# Allegro board R8-DEV-V1.0_FINAL.brd (continued)
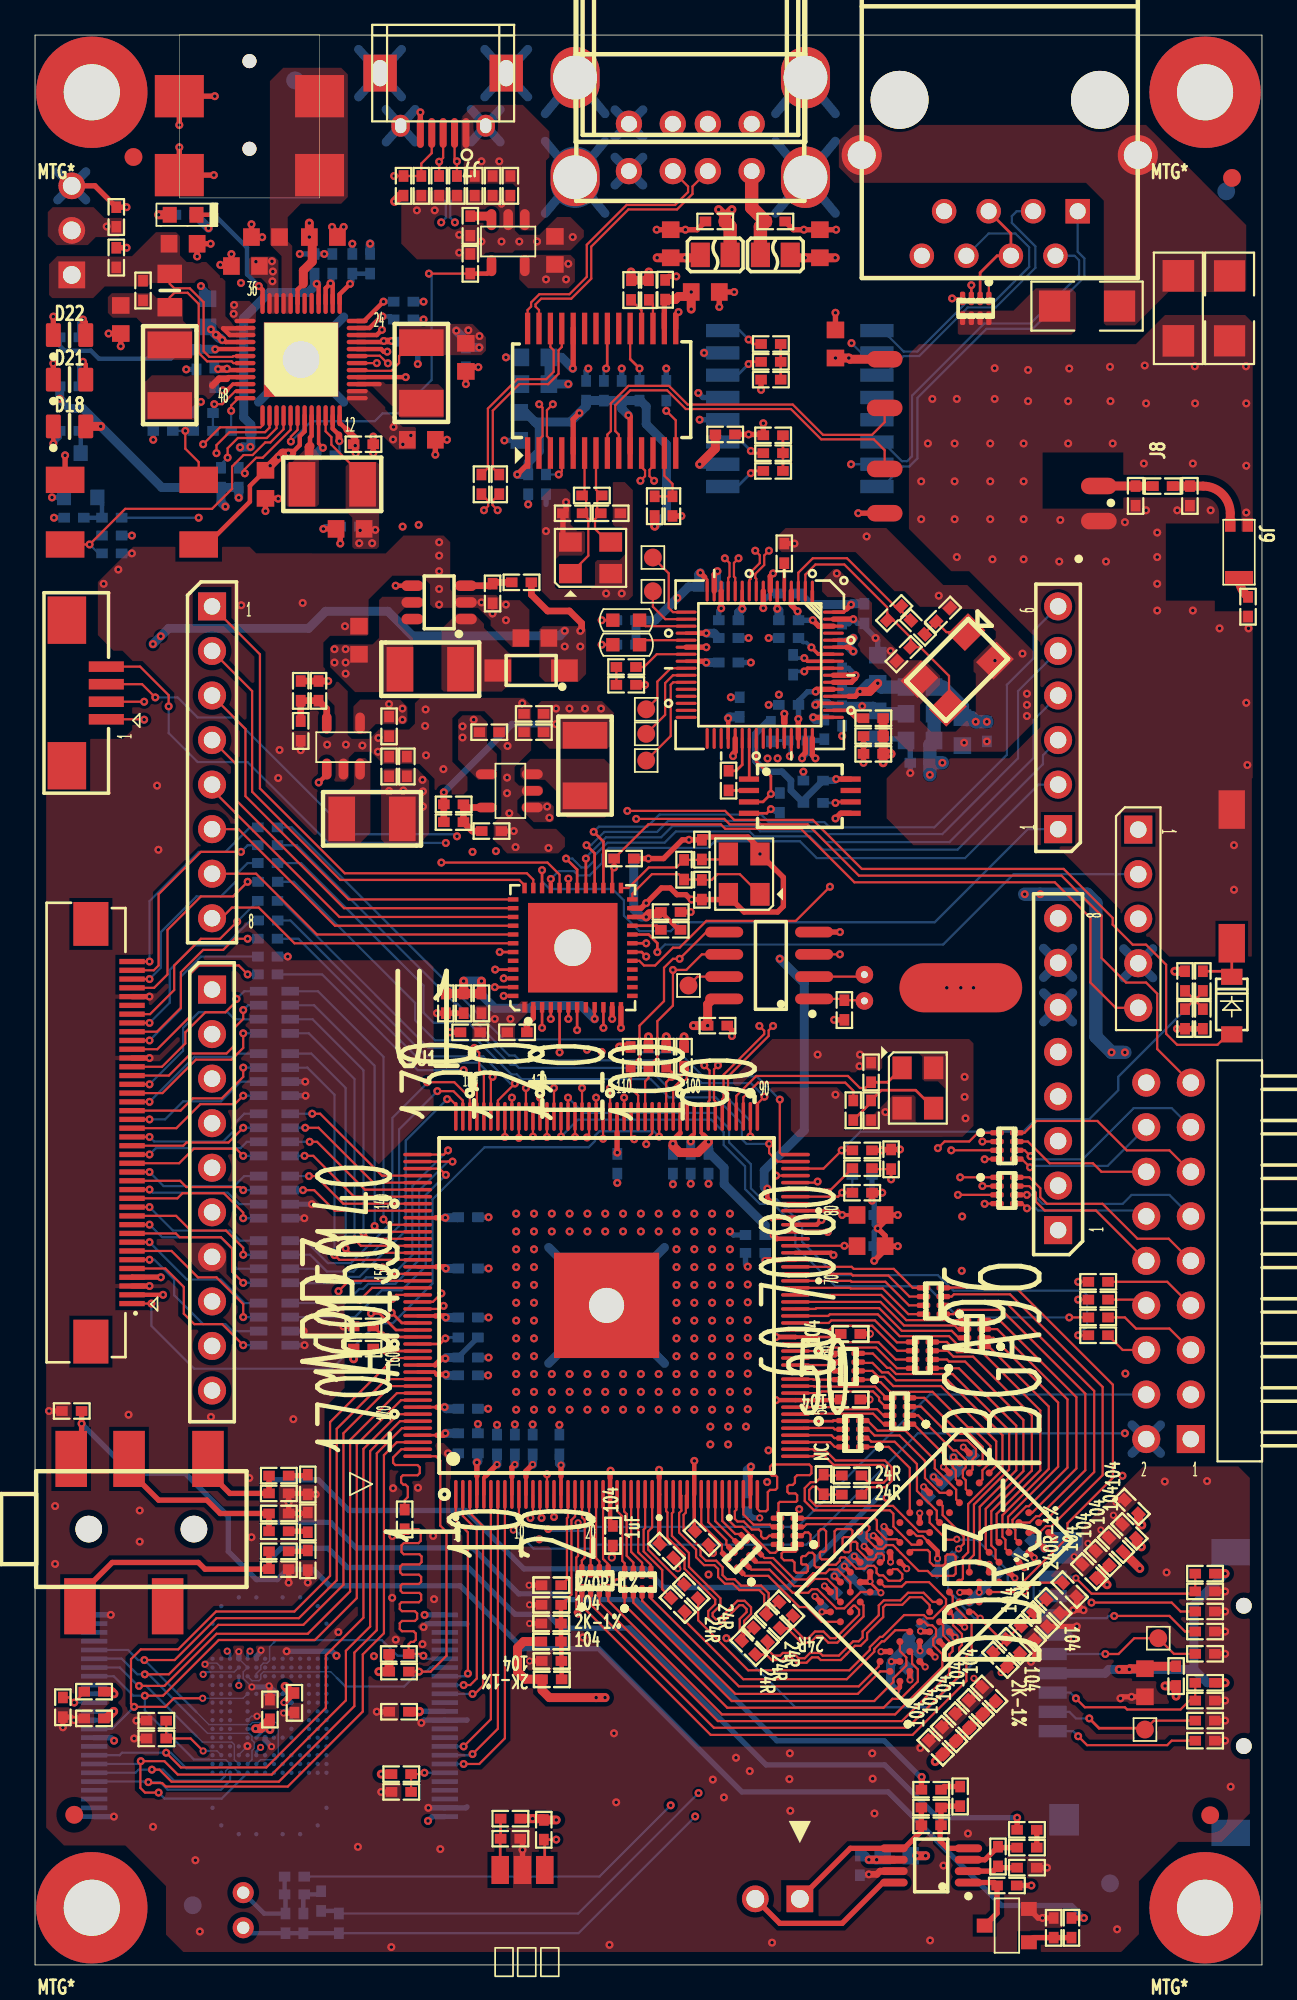
[diagram p0: board, top side]
## Routing (per net, layer and track width the routed paths; a pad name or vN(x,y) marks a point on that pad's centre or on a via; arc(x,y) is an arc through that point) (continued)
  TOP w0.381: U44.7 48.2,5.35 48.01,5.16 v1(47.56,5.16)
  L3-SIG w0.508: 19.84,105.96 J7.6 ; J7.6 19.84,103.75 ; J7.6 21.86,105.96 ; J7.6 21.86,103.75 ; 12.57,94.13 U33.49 ; U33.49 17.78,88.92 ; U33.49 12.57,88.92 ; U33.49 17.78,94.13 ; P1.11 32.69,99.68 ; P1.11 28.92,104.15 ; P1.11 28.92,99.68 ; P1.11 32.69,104.15 ; J4.2 64.32,29.04 ; J4.2 62.44,30.92 ; J4.2 62.44,29.04 ; J11.7 11.05,39.41 ; J11.7 9.14,41.33 ; J11.7 11.05,41.33 ; J11.7 9.14,39.41 ; 32.95,104.05 P1.8 32.95,105.89 ; P1.9 45.83,99.68 ; P1.9 42.06,99.68 ; P1.9 45.83,104.15 ; 57.4,55.55 J12.6 57.4,53.63 ; J7.9 26.71,105.96 ; J7.9 26.71,103.75 ; J7.9 24.7,105.96 ; J7.9 24.7,103.75 ; 32.69,105.36 P1.12 28.92,105.36 ; J14.4 63.89,58.06 ; J14.4 61.97,56.15 ; J14.4 63.89,56.15 ; J12.7 59.31,58.09 ; J12.7 57.4,58.09 ; J12.7 57.4,56.17 ; 32.95,101.35 P1.7 32.95,103.19 ; 21.07,106.32 J7.7 18.29,106.32 ; 28.26,106.32 J7.8 25.49,106.32 ; U1.177 36.08,34.12 ; U1.177 36.08,41.08 ; U1.177 29.12,41.08 ; U1.177 29.12,34.12 ; 1.16,102.36 J1.3 ; J1.3 3.03,102.36 ; J1.3 1.16,100.5 ; J1.3 3.03,100.5
  L4-SIG w0.508: P1.8 34.71,104.13 ; P1.8 34.71,105.8 ; P1.8 33.04,105.8 ; P1.8 33.04,104.13 ; 25.6,106.45 J7.8 28.15,106.45 ; J7.6 21.73,105.84 ; J7.6 21.73,103.88 ; J7.6 19.97,105.84 ; J7.6 19.97,103.88 ; 1.25,100.59 J1.3 ; J1.3 1.25,102.27 ; J1.3 2.94,102.27 ; J1.3 2.94,100.59 ; 24.82,105.84 J7.9 ; J7.9 26.58,105.84 ; J7.9 24.82,103.88 ; J7.9 26.58,103.88 ; 62.06,57.98 J14.4 ; J14.4 63.8,57.98 ; J14.4 62.06,56.24 ; J14.4 63.8,56.24 ; U33.49 17.66,94 ; U33.49 12.69,94 ; U33.49 17.66,89.04 ; J4.2 64.23,29.13 ; J4.2 62.53,29.13 ; J4.2 64.23,30.83 ; J4.2 62.53,30.83 ; J11.7 10.96,39.5 ; J11.7 10.96,41.24 ; J11.7 9.23,39.5 ; J11.7 9.23,41.24 ; 20.95,106.45 J7.7 18.41,106.45 ; 42.19,104.02 P1.9 ; P1.9 42.19,99.81 ; P1.9 45.7,104.02 ; P1.9 45.7,99.81 ; 29.05,99.81 P1.11 ; P1.11 29.05,104.02 ; P1.11 32.56,104.02 ; P1.11 32.56,99.81 ; 45.7,105.49 P1.10 42.19,105.49 ; P1.7 34.71,101.43 ; P1.7 33.04,103.1 ; P1.7 33.04,101.43 ; P1.7 34.71,103.1 ; 29.05,105.49 P1.12 32.56,105.49 ; J12.6 59.22,55.46 ; J12.6 57.49,53.72 ; J12.6 57.49,55.46 ; U1.177 35.96,40.96 ; U1.177 29.24,34.24 ; U1.177 35.96,34.24 ; U1.177 29.24,40.96 ; 57.49,56.26 J12.7 ; J12.7 59.22,58 ; J12.7 57.49,58 ; J12.7 59.22,56.26
  L5_PWR w0.635: v1(52.81,55.71) v1(52.01,55.71)
  BOTTOM w0.081: v1(12.12,12.48) 11.62,11.98 U37.K4 ; U37.AA4 U37.Y5 11.87,16.71 11.87,16.34 v2(12.37,15.85) ; v2(12.66,14.18) 12.35,14.18 U37.P5 ; 9.75,17.2 10.37,17.2 U37.Y2
  BOTTOM w0.305: C142.1 40.95,25.48 v2(41.34,25.48) ; C85.2 46.56,22.04 47.38,21.22 v2(48.25,21.22) ; v2(52.95,29.52) 52.96,29.52 C98.2 ; v1(41.54,77.35) 41.54,77.75 41.97,78.19 C299.1 ; C203.1 v1(25.87,39.71) ; C195.1 v1(25.84,33.61) ; C89.2 54.94,22.32 v2(54.42,22.84) ; 24.64,9.02 24.58,8.96 U36.23 v1(22.43,8.96) ; v2(49.9,16.25) 49.95,16.29 49.95,16.68 49.7,16.93 C100.2 ; C86.2 45.45,21.18 v2(45.03,21.6) ; v2(9.69,17.14) 9.75,17.2 ; C309.1 v1(1.08,82.51) ; C279.1 v1(46.04,70.06) ; U37.R10 14.28,14.46 v2(14.18,14.36) ; U36.48 v1(4.32,19.96) ; C241.1 v1(18.1,98.13) ; C287.1 38.98,79.41 v1(38.92,79.46) ; U36.25 v1(4.5,8.46) ; C234.1 v1(8.62,90.96) ; v1(44.52,72.59) 44.07,72.59 43.55,72.07 C286.1 43.55,71.05 v1(43.54,71.04) ; 24.64,13.97 24.62,13.96 U36.13 22.19,13.96 v1(22.03,13.8) ; v1(44.36,76.66) C289.1 43.55,76.91 43.5,76.96 v1(43.5,77.17) ; C295.1 v1(39.69,72.27) ; v1(47.56,5.16) 47.51,5.11 C316.1 ; v2(47.81,24.47) 47.4,24.47 C88.2 ; RN21.4 v1(15.37,35.33) ; 44.06,69.25 v1(44.51,68.79) ; 44.06,69.25 C273.1 44.95,69.81 C296.1 ; 44.06,69.25 44.06,69.1 v1(43.75,68.79) ; C190.1 v1(25.87,34.63) ; D4.2 v1(5.52,81.49) ; v2(51.48,23.17) 51.48,23.16 C96.2 ; v2(47.29,23.86) 47.29,24.36 C88.2 ; RN26.3 v1(15.41,50.36) ; C188.2 v1(36.38,44.51) ; EC3.1 v1(26.86,91.65) ; v1(17.2,17.63) 16.94,17.88 v1(14.35,17.88) ; R162.1 v1(41.85,75.65) ; C284.1 46.4,73.92 v1(46.8,73.52) ; v1(22.16,19.26) 22.36,19.46 U36.2 24.61,19.46 24.64,19.43 ; U37.U8 13.62,15.63 v2(13.35,15.91) 13.28,15.85 v2(12.37,15.85) ; R155.1 v1(36,91.02) ; v2(13.49,12.44) 13.12,12.81 U37.M7 ; v1(59.24,18.6) 59.02,18.83 J5.6 ; C229.2 v1(16.5,97.54) C227.1 v1(15.1,97.54) ; C214.2 10.4,89.77 v1(10.7,89.77) ; v1(40.65,39.81) 40.52,39.94 C177.2 ; T1.5 38.09,89.36 v1(37.83,89.62) ; v1(9.46,95.71) 9.84,95.33 C236.2 ; C298.1 39,77.2 v1(39.14,77.34) ; v1(47.87,40.14) C184.1 47.87,41.79 v1(48.07,41.99) 47.87,42.2 C182.1 47.87,43.44 v1(47.74,43.57) C185.1 ; Q1.2 v1(0.97,83.66) ; C256.2 v1(33.46,91.02) ; C97.2 50.69,26.95 v2(50.69,27.26) ; C88.2 47.18,24.47 47.18,24.54 v2(47.03,24.7) ; v1(49.92,67.95) C281.1 49.92,69.57 C280.1 49.59,69.9 C278.2 47.6,69.9 v1(47.25,69.55) ; C191.1 v1(38.42,44.53) ; C240.1 9.03,88.68 v1(9.46,89.11) ; C202.1 v1(33.21,44.58) ; C200.1 v1(29.91,30.79) ; v1(16.45,81.87) 16.57,82 C220.2 v1(17.41,81.03) ; v2(56.99,23.21) 56.77,23.44 C87.2 ; T1.4 v1(37.91,88.09) ; v1(39.64,41.82) 39.84,41.61 C187.1 ; C293.1 v1(40.7,75.65) ; C189.1 v1(26.35,30.79) ; C197.1 v1(25.26,30.84) ; C194.1 v1(25.87,36.91) ; C294.1 v1(40.83,74.25) ; C196.1 v1(28.38,30.82) ; v1(25.28,91.09) C225.2 v1(24.57,90.13) ; v2(11.62,17.86) U37.AA4 ; EC4.1 v1(26.77,86.91) ; C199.1 v1(27.37,30.82) ; C233.1 v1(22.16,94.83) ; C237.1 16.01,86.26 16.24,86.49 v1(16.42,86.49) ; C193.1 v1(25.84,31.71) ; C272.1 v1(43.82,68.03) ; C283.1 48.07,75.52 v1(47.94,75.65) 47.31,76.28 C297.1 46.91,76.49 v1(46.67,76.72) 46.41,76.46 C288.1 ; R150.1 29.15,83.27 ; C253.2 v1(28.13,83.27) ; C185.1 v1(48.32,44.03) ; C185.1 R96.1 ; v2(12.89,17.94) 12.89,17.86 12.62,17.6 U37.AA6 ; RN24.3 v1(15.79,43.37) ; D3.1 v1(6.74,86.95) ; C192.1 v1(25.87,42.63) ; C255.2 31.43,90.89 v1(31.56,91.02) ; RN21.3 v1(15.32,36.13) ; v2(53.03,19.26) 52.66,19.63 C99.2 ; C201.1 v1(37.4,44.53) ; R114.1 v1(22.16,93.81) ; v1(21.83,91.27) C235.2 ; RN26.4 v1(15.43,49.56) ; R120.2 v1(5.52,80.47) ; U36.36 v1(2.22,13.96) ; R142.2 v1(14.41,57.49) ; C198.1 v1(23.56,29.17) ; RN24.4 v1(15.36,42.57) ; 50.55,19.33 50.55,19.07 v2(50.51,19.03) 50.51,19.04 50.62,19.16 C101.2 50.55,19.33
  BOTTOM w0.508: P1.11 32.51,99.86 ; P1.11 29.1,99.86 ; P1.11 32.51,103.97 ; P1.11 29.1,103.97 ; J14.4 63.76,56.27 ; J14.4 62.09,57.94 ; J14.4 63.76,57.94 ; J14.4 62.09,56.27 ; 25.65,109.21 J7.8 ; J7.8 25.65,106.5 ; J7.8 28.1,106.5 ; J7.8 28.1,109.21 ; 57.52,56.3 J12.7 ; J12.7 59.19,57.96 ; J12.7 57.52,57.96 ; J12.7 59.19,56.3 ; 29.29,40.9 U1.177 ; U1.177 35.9,40.9 ; U1.177 29.29,34.29 ; U1.177 35.9,34.29 ; 29.1,105.54 P1.12 32.51,105.54 ; 42.24,105.54 P1.10 45.65,105.54 ; P1.8 34.67,104.17 ; P1.8 33.08,105.77 ; P1.8 34.67,105.77 ; P1.8 33.08,104.17 ; 33.08,103.07 P1.7 ; P1.7 34.67,101.47 ; P1.7 34.67,103.07 ; P1.7 33.08,101.47 ; 57.52,55.42 J12.6 ; J12.6 57.52,53.76 ; J12.6 59.19,53.76 ; J12.6 59.19,55.42 ; 20.02,103.93 J7.6 ; J7.6 21.68,105.79 ; J7.6 20.02,105.79 ; J7.6 21.68,103.93 ; J1.3 2.9,102.24 ; J1.3 1.29,100.62 ; J1.3 2.9,100.62 ; J1.3 1.29,102.24 ; 24.87,103.93 J7.9 ; J7.9 26.53,105.79 ; J7.9 24.87,105.79 ; J7.9 26.53,103.93 ; U33.49 17.61,93.95 ; U33.49 12.74,89.09 ; U33.49 17.61,89.09 ; 62.57,29.16 J4.2 ; J4.2 64.2,29.16 ; J4.2 64.2,30.79 ; J4.2 62.57,30.79 ; J7.7 20.9,109.21 ; J7.7 20.9,106.5 ; J7.7 18.45,106.5 ; J7.7 18.45,109.21 ; 42.24,99.86 P1.9 ; P1.9 42.24,103.97 ; P1.9 45.65,103.97 ; P1.9 45.65,99.86
  vias: v1(1.14,26.16) v1(1.14,22.86) v1(3.91,78.74) v1(4.75,79.55) v1(5.33,31.37) v1(5.97,25.91) v1(5.97,24.13) v1(6.73,7.87) v1(6.96,67.23) v1(7.04,63.58) v1(9.14,5.97) v1(9.4,1.91) v1(10.03,31.24) v1(11.75,95.89) v1(11.76,77.52) v1(12.22,27.76) v1(12.34,24.38) v1(13.94,69.27) v1(13.87,67.67) v1(14.73,31.11) v1(15.27,77.65) v1(16.66,69.57) v1(17.3,18.97) v1(17.68,76.32) v1(17.73,69.57) v1(18.41,6.73) v1(18.67,69.52) v1(19.33,17.6) v1(19.58,69.95) v1(19.56,69.16) v1(20.32,1.02) v1(20.42,27.18) v1(20.38,24.45) v1(20.37,20.93) v1(20.57,18.54) v1(21.78,100.03) v1(21.84,27.2) v1(22.1,18.29) v1(22.28,71.58) v1(22.25,70.64) v1(22.3,68.96) v1(22.71,24.46) v1(22.8,100.03) v1(22.76,20.85) v1(23.05,81.11) v1(23.05,80.35) v1(23.05,79.46) v1(23.05,78.44) v1(23.05,77.55) v1(23.11,6.6) v1(23.29,68.17) v1(24.19,98.64) v1(24.19,97.62) v1(25.46,98.25) v1(25.46,77.68) v1(26.1,77.05) v1(26.61,100.41) v1(26.61,98.25) v1(26.86,77.55) v1(26.86,76.66) v1(26.95,69.49) v1(26.92,67.69) v1(26.92,66.8) v1(27.05,65.66) v1(27.41,63.73) v1(27.44,42.83) v1(27.44,41.82) v1(27.44,40.8) v1(27.44,39.78) v1(27.44,38.77) v1(27.44,37.75) v1(27.44,36.74) v1(27.44,35.72) v1(27.44,34.7) v1(27.44,33.69) v1(27.44,32.67) v1(27.44,31.66) v1(27.62,98.25) v1(27.79,71.93) v1(28.46,42.83) v1(28.46,41.82) v1(28.46,40.8) v1(28.46,39.78) v1(28.46,38.77) v1(28.46,37.75) v1(28.46,36.74) v1(28.46,35.72) v1(28.46,34.7) v1(28.46,33.69) v1(28.46,32.67) v1(28.46,31.66) v1(28.64,98.25) v1(29.15,81.74) v1(29.29,63.68) v1(29.48,42.83) v1(29.48,41.82) v1(29.48,33.69) v1(29.48,32.67) v1(29.48,31.66) v1(30.49,42.83) v1(30.49,41.82) v1(30.49,33.69) v1(30.49,32.67) v1(30.49,31.66) v1(30.67,98.51) v1(31.24,18.67) v1(31.51,42.83) v1(31.51,41.82) v1(31.51,33.69) v1(31.51,32.67) v1(31.51,31.66) v1(32.52,42.83) v1(32.52,41.82) v1(32.52,33.69) v1(32.52,32.67) v1(32.52,31.66) v1(32.57,78.19) v1(32.77,1.14) v1(33.02,13.21) v1(33.15,9.27) v1(33.2,21.82) v1(33.46,78.19) v1(33.54,42.83) v1(33.54,41.82) v1(33.54,33.69) v1(33.54,32.67) v1(33.54,31.66) v1(34.56,42.83) v1(34.56,41.82) v1(34.56,33.69) v1(34.56,32.67) v1(34.56,31.66) v1(35.57,42.83) v1(35.57,41.82) v1(35.57,33.69) v1(35.57,32.67) v1(35.57,31.66) v1(36.59,42.83) v1(36.59,41.82) v1(36.59,40.8) v1(36.59,39.78) v1(36.59,38.77) v1(36.59,37.75) v1(36.59,36.74) v1(36.59,35.72) v1(36.59,34.7) v1(36.59,33.69) v1(36.59,32.67) v1(36.59,31.66) v1(37.6,42.83) v1(37.6,41.82) v1(37.6,40.8) v1(37.6,39.78) v1(37.6,38.77) v1(37.6,37.75) v1(37.6,36.74) v1(37.6,35.72) v1(37.6,34.7) v1(37.6,33.69) v1(37.6,32.67) v1(37.6,31.66) v1(38.52,30.69) v1(38.52,29.67) v1(38.62,42.83) v1(38.62,41.82) v1(38.62,40.8) v1(38.62,39.78) v1(38.62,38.77) v1(38.62,37.75) v1(38.62,36.74) v1(38.62,35.72) v1(38.62,34.7) v1(38.62,33.69) v1(38.62,32.67) v1(38.62,31.66) v1(38.66,10.57) v1(39.29,9.55) v1(39.53,30.69) v1(39.53,29.67) v1(39.64,42.83) v1(39.64,40.8) v1(39.64,39.78) v1(39.64,38.77) v1(39.64,37.75) v1(39.64,36.74) v1(39.64,35.72) v1(39.64,34.7) v1(39.64,33.69) v1(39.64,32.67) v1(39.64,31.66) v1(39.98,11.81) v1(40.55,30.69) v1(40.65,38.79) v1(40.65,37.78) v1(40.65,36.76) v1(40.65,35.75) v1(40.65,34.73) v1(40.65,33.71) v1(40.65,32.7) v1(40.65,31.68) v1(40.77,11.05) v1(41.83,29.34) v1(41.76,27.53) v1(42.04,1.27) v1(43.03,10.59) v1(43.05,12.06) v1(43.08,8.79) v1(43.59,25.98) v1(44.64,51.9) v1(45.73,79.33) v1(45.66,49.61) v1(47.03,51.24) v1(47.05,51.9) v1(47.43,81.44) v1(47.75,12.06) v1(47.78,10.62) v1(47.88,8.64) v1(48.5,48.62) v1(48.8,74.91) v1(50.55,84.58) v1(50.55,82.42) v1(50.5,12.37) v1(50.93,86.74) v1(51.05,1.4) v1(51.18,89.28) v1(51.55,78.06) v1(51.82,5.66) v1(52.45,86.74) v1(52.45,84.58) v1(52.45,82.42) v1(52.58,89.28) v1(52.58,80.26) v1(52.88,42.67) v1(52.86,39.57) v1(53,69.68) v1(53.02,50.63) v1(53.02,49.49) v1(53.07,48.27) v1(53.21,7.49) v1(54.29,69.75) v1(54.48,86.74) v1(54.48,84.58) v1(54.48,82.42) v1(54.61,80.14) v1(54.74,91.03) v1(54.74,89.28) v1(54.75,74.36) v1(56.32,74.76) v1(56.39,86.74) v1(56.39,84.58) v1(56.39,82.42) v1(56.39,80.14) v1(56.64,90.93) v1(56.64,89.15) v1(56.58,72.47) v1(56.58,71.84) v1(56.58,71.2) v1(58.42,80.01) v1(58.48,82.38) v1(58.93,89.15) v1(58.93,86.74) v1(58.99,91.02) v1(61.09,80.01) v1(61.32,91.11) v1(61.34,89.15) v1(61.47,86.74) v1(61.72,2.03) v1(62.03,27.89) v1(62.17,82.25) v1(63.25,85.6) v1(63.3,91.19) v1(63.37,89.03) v1(63.37,82.93) v1(64.01,81.66) v1(64.01,80.26) v1(64.01,78.74) v1(64.01,77.22) v1(64.44,27.56) v1(64.54,22.38) v1(65.15,82.93) v1(66.04,85.6) v1(66.04,77.22) v1(66.15,91.14) v1(66.17,89.03) v1(66.85,27.58) v1(67.06,82.93) v1(67.56,76.2) v1(68.2,10.16) v1(68.39,63.84) v1(68.39,61.3) v1(69.07,91.14) v1(69.09,89.03) v1(69.09,85.47) v1(69.09,82.8) v1(69.09,71.96) v1(69.22,76.2) v1(69.15,68.41)
VBAT-EXT: length 8.3
  TOP w0.127: U33.43 11.31,91.32 11.21,91.42 9.82,91.42 9.33,91.9 9.33,94.7 8.7,95.33 7.95,95.33 7.68,95.07 R108.2
VCC-3V3A: length 13.1
  TOP w0.152: U43.9 v1(31.92,53.93)
  TOP w0.508: C301.2 v1(24.45,56.09) ; C301.2 C300.2 ; C301.2 R177.1 v1(25.46,56.09)
  BOTTOM w0.508: v1(24.45,56.09) v1(25.46,56.09) 25.46,55.3 26.22,54.54 28.26,54.54 28.41,54.7 31.15,54.7 v1(31.92,53.93)
VCC-5V: length 181.8
  TOP w0.254: J3.2 v1(7.3,38.2)
  TOP w0.381: R116.2 28.31,78.12 29.24,77.19 30.48,77.19 31.18,76.49 31.18,76.13 v1(31.1,76.06)
  TOP w0.508: R160.1 C271.2 C270.2 ; v1(35.48,97.33) EC2.1 v1(37.07,97.33) 37.78,97.33 LB2.1 ; C270.2 v1(48.83,69.04) ; C270.2 v1(48.37,68.54) ; v1(45.64,97.33) EC1.1 v1(43.93,97.33) 43.24,97.33 LB1.1
  L3-SIG w0.762: 30.8,77.55 30.8,81.11 31.56,81.87 31.56,85.94 30.42,87.08 28.76,87.08 27.75,88.09 27.75,94.7 v1(29.15,96.1) v1(30.29,96.1) 30.42,96.22 v1(30.42,96.98)
  L4-SIG w0.508: v1(7.17,75.75) v1(6.73,75.31) 4.45,73.03 4.45,67.82 8.26,64.01 8.26,38.99 7.47,38.2 v1(7.3,38.2)
  L4-SIG w0.762: 47.62,67.78 47.62,67.72 52.51,62.82 58.99,62.82 60.77,61.04 60.77,54.47 J12.5 60.13,50.27 60.13,45.17 59.4,44.43 J12.2 ; 47.62,67.78 47.62,67.79 47.54,67.72 46.85,67.72 46.23,68.34 45.21,68.34 44,67.14 42.86,67.14 42.48,67.52 38.42,67.52 30.8,75.14 30.8,76.66 ; 47.62,67.78 v1(48.37,68.54) 48.37,68.59 v1(48.83,69.04) ; v1(45.64,97.33) v1(43.93,97.33) v1(37.07,97.33) v1(35.48,97.33) 30.76,97.33 v1(30.42,96.98) 30.29,96.86 v1(30.29,96.1) v1(29.15,96.1)
  BOTTOM w0.508: v1(6.73,75.31) v1(7.17,75.75) 7.62,76.2 15.6,76.2 16.57,77.17 20.13,77.17 21.53,75.78 29.93,75.78 v1(30.21,76.06)
  vias: v1(30.21,75.17) v1(31.1,75.17)
VCC-WIFI: length 62
  TOP w0.254: U33.11 16.98,87.59 17.33,87.23 ; U33.41 10.29,92.12 v1(10.27,92.11)
  TOP w0.381: 17.33,87.23 17.33,86.9 v1(17.36,86.88)
  TOP w0.508: J8.5 46.49,91.54 v1(46.42,91.61) v1(45.66,91.61)
  L4-SIG w0.508: v1(10.27,92.11) 10.27,92.09 10.41,91.95 11.42,91.95 11.96,91.4
  L4-SIG w0.762: 11.96,91.4 11.96,89.15 13.28,87.84 16.39,87.84 v1(17.36,86.88) 17.36,87.08 18.9,88.62 26.82,88.62 28.05,87.38 31.33,87.38 33.54,89.59 36.03,89.59 37.04,90.61 37.04,91.98 37.88,92.82 39.25,92.82 39.91,93.48 41.79,93.48 43.66,91.61 v1(45.66,91.61) v1(46.42,91.61)
  BOTTOM w0.127: C237.2 17.36,86.29 v1(17.36,86.88)
  BOTTOM w0.254: R184.1 1.41,92.31 1.69,92.03 3.19,92.03 3.64,91.57 7.73,91.57 8.19,92.03 9.15,92.03 C234.2
  BOTTOM w0.508: C234.2 9.23,92.11 v1(10.27,92.11)
VINT: length 3.1
  TOP w0.254: U33.27 16.57,95.59 v1(16.85,95.87) 16.93,95.87 16.98,95.82 U33.26
  BOTTOM w0.254: v1(16.85,95.87) 16.95,95.97 C229.1
A0: length 16.4
  TOP w0.127: U29.N3 54.85,24.22 54.85,25.71 57.34,28.2 57.34,31.61 54.01,34.93 52.59,34.93 52.01,35.52 RN17.4
A1: length 6.4
  TOP w0.127: U29.P7 53.09,27.12 53.09,27.63 52.92,27.8 52.92,28.2 53.09,28.36 53.09,28.76 53.08,28.77 53.08,28.79 52.55,29.33 52.37,29.33 50.38,31.33 RN15.2
A2: length 14.4
  TOP w0.127: U29.P3 55.5,24.71 55.5,25.55 58.36,28.4 58.36,32.06 54.67,35.75 RN18.2
A3: length 14.7
  TOP w0.127: RN18.1 54.41,35.25 57.82,31.83 57.82,28.28 55.18,25.64 55.18,24.41 55.35,24.24 55.35,23.72 U29.N2
A4: length 4.7
  TOP w0.127: U29.P8 52.52,27.68 52.52,28.2 52.35,28.37 52.35,28.45 51.88,28.92 51.88,29.06 50.11,30.83 RN15.1
A5: length 16.1
  TOP w0.127: RN18.3 54.88,36.25 58.89,32.24 58.89,28.35 56.68,26.15 56.53,26.15 55.75,25.37 55.75,24.97 55.92,24.81 55.92,24.29 U29.P2
A6: length 6.3
  TOP w0.127: RN15.3 50.54,31.83 52.46,29.9 53.18,29.9 53.67,29.41 53.67,29.02 53.47,28.82 53.47,28.23 U29.R8
A7: length 21.9
  TOP w0.127: U29.R2 57.3,24.65 57.66,25.02 57.99,25.02 60.9,27.92 60.9,32.95 55.61,38.23 52.41,38.23 52.28,38.1 RN19.3
A8: length 6.3
  TOP w0.127: U29.T8 54.05,28.81 54.05,29.53 53.3,30.28 52.77,30.28 50.72,32.33 RN15.4
A9: length 19.6
  TOP w0.127: RN19.1 52.4,37.1 52.64,37.35 55.13,37.35 59.9,32.57 59.9,28.2 57.29,25.58 57.1,25.58 56.73,25.22 U29.R3
A10: length 7.6
  TOP w0.127: RN4.2 47.49,30.03 47.7,29.83 49.03,29.83 50.3,28.56 50.3,27.03 51.43,25.89 51.43,25.38 U29.L7
A11: length 11.5
  TOP w0.127: U29.R7 54.04,27.67 54.04,28.21 54.49,28.66 54.49,29.59 53.44,30.64 53.22,30.64 51.19,32.67 48.78,32.67 48.22,33.23 47.96,33.23 47.82,33.37 RN16.1
A12: length 8.1
  TOP w0.127: U29.N7 52.54,26.54 52.54,27.09 51.32,28.31 51.32,28.79 49.64,30.46 48.05,30.46 47.48,31.03 RN4.4
A13: length 14.9
  TOP w0.127: RN18.4 55.02,36.75 59.4,32.37 59.4,28.3 56.88,25.79 U29.T3
A14: length 11.5
  TOP w0.127: RN16.2 47.76,33.87 48.1,33.53 48.43,33.53 48.96,33 51.67,33 54.82,29.85 54.82,28.45 54.42,28.05 U29.T7
AD0: length 35.2
  TOP w0.152: U43.34 v1(28.92,62.42)
  BOTTOM w0.127: J13.1 56.63,64.75 51.32,59.44 36.77,59.44 36.26,58.94 34.48,58.94 33.59,59.82 33.59,60.69 32.94,61.34 29.36,61.34 28.92,61.78 v1(28.92,62.42)
AD1: length 33
  TOP w0.152: U43.33 v1(29.42,61.91)
  BOTTOM w0.127: J13.2 57.24,67.29 53.05,63.1 44.59,63.1 43.62,64.07 38.77,64.07 38.39,63.69 32.73,63.69 32.35,63.3 32.35,62.83 31.63,62.11 30.98,62.11 30.73,62.36 29.86,62.36 v1(29.42,61.91)
AD2: length 34.5
  TOP w0.152: v1(30.29,63.08) 30.92,62.44 U43.30
  BOTTOM w0.127: J13.3 57.49,68.97 57.49,68.46 52.61,63.58 44.94,63.58 44.18,64.35 41.03,64.35 40.76,64.62 36.55,64.62 35.92,63.98 32.64,63.98 31.89,63.23 31.89,62.95 31.51,62.57 31.16,62.57 30.65,63.08 v1(30.29,63.08)
AD3: length 34.5
  TOP w0.152: U43.29 v1(31.42,63.08)
  BOTTOM w0.127: J13.4 56.96,70.98 56.96,68.82 52.16,64.02 45.1,64.02 44.49,64.63 41.36,64.63 41.07,64.92 36.35,64.92 35.71,64.29 32.57,64.29 31.42,63.14 v1(31.42,63.08)
AD4_SDA: length 90.1
  TOP w0.152: U43.28 31.92,63.38 v1(31.46,63.84)
  L3-SIG w0.127: v1(31.48,52.18) 30.82,51.52 27.24,51.52 26.52,50.79 26.52,50.41 23.51,47.4 21.96,47.4 12.79,38.23 12.79,37.07 11.01,35.29 J11.9
  L4-SIG w0.127: v1(31.46,63.84) 31.94,63.36 33.31,63.36 34.1,62.57 36.41,62.57 38.67,60.31 38.67,53.84 38.78,53.72 38.78,53.38 38.54,53.13 38.15,53.13 37.32,52.31 34.07,52.31 33.62,52.76 32.07,52.76 v1(31.48,52.18)
  BOTTOM w0.127: v1(31.46,63.84) 31.71,63.84 32.46,64.59 35.48,64.59 36.11,65.23 41.22,65.23 41.55,64.89 44.75,64.89 45.17,64.47 51.75,64.47 56.07,68.79 56.07,72.63 J13.5
AD5_SCL: length 94.3
  TOP w0.152: v1(31.86,64.6) 32.42,64.04 U43.27
  L3-SIG w0.127: v1(32.32,52.05) 32.09,52.05 31.05,51.01 27.54,51.01 26.95,50.42 26.95,50.08 23.91,47.05 22.77,47.05 13.7,37.98 13.7,36.35 J11.10
  L4-SIG w0.127: v1(31.86,64.6) 32.52,63.94 35.6,63.94 39.18,60.36 39.18,53.3 38.43,52.55 38.15,52.55 37.25,51.65 32.73,51.65 v1(32.32,52.05)
  BOTTOM w0.127: v1(31.86,64.6) 32.16,64.9 34.92,64.9 35.61,65.58 41.42,65.58 41.85,65.16 45.02,65.16 45.32,64.85 51.29,64.85 55.43,68.99 55.43,72.98 56.96,74.51 56.96,76.06 J13.6
ANT: length 3.1
  TOP w0.508: J8.1 62.77,84.32 C266.1 62.77,84.31 62.77,84.31 C263.2
AVERF: length 1.2
  TOP w0.152: U43.10 v1(32.42,53.42)
BA0: length 16.7
  TOP w0.127: RN17.3 52.05,35.02 52.38,34.68 53.5,34.68 56.86,31.33 56.86,28.18 54.55,25.87 54.55,23.91 54.79,23.67 54.79,23.16 54.99,22.96 U29.M2
BA1: length 7
  TOP w0.127: U29.N8 51.6,26.92 50.76,27.76 50.76,28.73 49.31,30.18 47.88,30.18 47.53,30.53 RN4.3
BA2: length 15.1
  TOP w0.127: RN17.2 52.02,34.52 52.13,34.4 53.05,34.4 56.37,31.07 56.37,28.15 54.23,26 54.23,23.72 54.42,23.52 U29.M3
BAT: length 10.9
  TOP w0.127: U33.42 11.31,91.72 11.26,91.68 9.94,91.68 9.61,92.01 9.61,94.8 8.83,95.59 7.94,95.59 7.68,95.84 R108.1
  TOP w0.254: U33.39 11.11,92.92 10.73,93.3 11.95,93.3 U33.38
CAS: length 19.4
  TOP w0.127: RN16.4 46.96,34.86 47.79,34.86 48.61,34.04 48.76,34.04 49.11,33.69 52.34,33.69 55.56,30.46 55.56,28.25 53.55,26.25 53.55,23.38 53.29,23.11 U29.K3
CHGLED: length 7.2
  TOP w0.254: v1(12.76,95.71) 12.98,95.5 U33.36 ; D1.2 v1(10.22,99.78)
  BOTTOM w0.254: v1(12.76,95.71) 12.09,96.39 12.09,97.91 v1(10.22,99.78)
CKE: length 5.7
  TOP w0.127: U29.K9 49.9,28.33 48.69,29.53 RN4.1
CORE-VDD: length 64.6
  TOP w0.127: L4.2 21.53,92.49 20.76,91.73 20.76,91.32 20.32,90.88 18.42,90.88 U33.17
  TOP w0.203: C49.1 37.6,24.78 U1.35 ; U1.149 22.9,39.8 ; 37.5,47.28 37.6,47.37 U1.98 ; 33.2,47.45 U1.109
  TOP w0.254: v1(37.6,28.73) 37.6,28.73 U1.35 ; 42.51,40.2 U1.73
  TOP w0.305: 37.5,47.28 37.4,47.18 v1(37.4,46.95) ; 42.51,40.2 41.69,40.2 v2(41.64,40.16) ; v1(23.43,39.71) 23.34,39.8 22.9,39.8 ; 33.2,47.45 33.2,46.32 v1(33.21,46.31)
  L3-SIG w0.762: 32.62,45.73 v1(33.21,46.31) 33.31,46.31 33.82,45.8 ; 32.62,45.73 33.74,45.73 33.82,45.8 ; 32.62,45.73 27.16,45.73 24.67,43.24 24.67,41.69 23.43,40.44 v1(23.43,39.71) ; 33.82,45.8 36.59,45.8 ; 37.4,46.72 v1(37.4,46.95) ; 37.4,46.72 38.29,45.83 ; 37.4,46.72 37.4,46.62 36.59,45.8 ; 38.29,45.83 38.26,45.8 36.59,45.8 ; 38.29,45.83 39.25,45.83 40.91,44.18 40.91,40.9 v2(41.64,40.16) 41.64,39.6 41.5,39.46 41.5,30.4 39.84,28.73 v1(37.6,28.73)
  BOTTOM w0.508: C203.2 v1(23.43,39.71) ; C202.2 v1(33.21,46.31) ; C201.2 v1(37.4,46.95) ; C177.1 v2(41.64,40.16) ; v1(24.03,93.17) 24.57,92.62 C225.1 v1(25.34,92.21)
  vias: v1(24.71,93.19) v1(25.35,92.86)
CPU-VDD: length 23.7
  TOP w0.127: L3.2 18.68,84.89 16.9,86.67 16.9,87.1 16.57,87.43 U33.10
  TOP w0.152: U1.173 22.92,30.2 ; 22.92,31.8 U1.169
  TOP w0.203: U1.156 22.85,37 ; 25.2,27.87 U1.4 ; 30,27.85 U1.16 ; U1.11 28,27.82 ; U1.164 22.79,33.8 22.92,33.66 ; U1.9 27.2,27.82
  TOP w0.305: 27.2,27.82 27.2,28.36 v2(27.37,28.53) ; v1(23.4,30.31) 23.29,30.2 22.92,30.2 ; v2(30,28.5) 30,27.85 ; 22.85,37 23.34,37 v1(23.43,36.91) ; 28,27.82 28,28.15 v2(28.38,28.53) ; v1(23.43,33.66) 22.92,33.66 ; v1(25.2,28.65) 25.2,27.87 ; v1(23.36,31.8) 22.92,31.8
  BOTTOM w0.508: C194.2 v1(23.43,36.91) ; v1(25.2,28.65) 25.26,28.71 C198.2 ; v1(23.43,33.66) 23.48,33.61 C195.2 ; C197.2 v1(23.4,30.31) ; C196.2 v2(28.38,28.53) ; C199.2 v2(27.37,28.53) ; v1(23.36,31.8) 23.46,31.71 C193.2 ; C200.2 29.91,28.59 v2(30,28.5)
  vias: v1(18.54,81.79) v1(18.49,81.05) v1(19.23,81.05) v1(19.41,81.81)
CSI-D0: length 35
  TOP w0.127: U1.118 v1(29.6,49.99) ; v1(54.16,45.93) 54.18,45.94 RN20.4
  L4-SIG w0.127: v1(29.6,49.99) 29.6,50.07 30.03,50.5 33.82,50.5 34.66,49.66 40.24,49.66 43.37,52.79 52.26,52.79 54.67,50.38 54.67,46.44 v1(54.16,45.93)
CSI-D1: length 28
  TOP w0.127: U1.119 v1(29.2,47.2) ; RN20.3 v1(52.26,46.44)
  L4-SIG w0.127: v1(29.2,47.2) 30.16,46.24 32.45,46.24 32.94,46.73 33.55,46.73 34.05,46.24 44.94,46.24 45.25,45.93 51.75,45.93 v1(52.26,46.44)
CSI-D2: length 33.1
  TOP w0.127: U1.120 v1(28.8,49.45) ; RN20.2 v1(54.04,46.94)
  L4-SIG w0.127: v1(28.8,49.45) 29.41,48.84 40.18,48.84 43.75,52.41 51.88,52.41 54.04,50.25 v1(54.04,46.94)
CSI-D3: length 28.8
  TOP w0.127: U1.121 v1(28.4,47.22) ; v1(51.5,46.57) 51.88,46.95 53.29,46.95 53.78,47.44 RN20.1
  L4-SIG w0.127: v1(51.5,46.57) 50.99,47.07 48.22,47.07 47.83,47.47 41.32,47.47 40.98,47.81 28.87,47.81 28.4,47.34 v1(28.4,47.22)
CSI-D4: length 40.5
  TOP w0.127: RN22.4 54.18,43.4 v1(54.16,43.39) ; U1.122 v1(28,49.99)
  L4-SIG w0.127: v1(28,49.99) 28.13,49.99 29.27,51.14 33.87,51.14 34.94,50.07 39.89,50.07 42.99,53.17 52.77,53.17 55.18,50.76 55.18,44.41 v1(54.16,43.39)
CSI-D5: length 30.1
  TOP w0.127: U1.123 v1(27.6,47.15) ; RN22.3 v1(52.64,43.9)
  L4-SIG w0.127: v1(52.64,43.9) 51.08,45.46 45.06,45.46 44.61,45.91 34.83,45.91 34.48,45.55 29.2,45.55 v1(27.6,47.15)
CSI-D6: length 32
  TOP w0.127: RN22.2 54.04,44.4 v1(54.04,44.41) ; U1.124 v1(27.2,49.45)
  L4-SIG w0.127: v1(54.04,44.41) 53.53,44.91 53.53,46.44 52.11,47.86 48.6,47.86 47.61,48.85 41.64,48.85 41.29,48.5 28.61,48.5 27.66,49.45 v1(27.2,49.45)
CSI-D7: length 32.4
  TOP w0.127: U1.125 v1(26.8,47.2) ; RN22.1 v1(52.77,44.9)
  L4-SIG w0.127: v1(52.77,44.9) 53.15,45.28 53.15,46.31 51.98,47.48 48.45,47.48 48.08,47.85 41.71,47.85 41.36,48.19 27.72,48.19 26.8,47.27 v1(26.8,47.2)
CSI-HSYNC: length 40.3
  TOP w0.127: U1.116 v1(30.4,49.45) ; R128.1 v1(59.5,35.9)
  BOTTOM w0.127: v1(30.4,49.45) 31.27,48.57 38.7,48.57 39.58,47.68 39.58,46.9 40.83,45.65 40.83,44.28 41.46,43.64 42.31,43.64 43.75,42.2 43.75,41.23 45.66,39.33 51.5,39.33 52.39,38.44 59.75,38.44 60.01,38.18 60.01,36.41 v1(59.5,35.9)
CSI-MCLK: length 45.4
  TOP w0.127: U1.115 v1(30.8,47.2) ; R130.2 v1(59.5,37.93)
  L3-SIG w0.127: v1(59.5,37.93) 58.13,37.93 55.15,40.9 55.15,49.11 51.94,52.32 46.88,52.32 45.32,50.76 40.83,50.76 39.66,49.59 35.47,49.59 34.35,50.71 32.42,50.71 31.66,49.94 31.66,49.77 30.8,48.91 v1(30.8,47.2)
CSI-PCLK: length 42.8
  TOP w0.127: R129.1 v1(59.5,38.95) ; U1.114 v1(31.2,49.99)
  L3-SIG w0.127: v1(59.5,38.95) 58.66,38.95 55.89,41.71 55.89,49.33 52.31,52.92 46.65,52.92 44.87,51.14 40.63,51.14 39.38,49.89 35.77,49.89 34.71,50.96 32.16,50.96 v1(31.2,49.99)
CSI-RST: length 88.3
  TOP w0.127: U33.3 13.78,87.61 13.22,87.05 11.57,87.05 10.98,86.47 v1(10.98,85.94) ; v1(34.29,65.34) 39.31,65.34 39.62,65.02 44.07,65.02 46.99,62.1 58.55,62.1 60.83,59.82 60.83,57.4 62.23,56.01 63.37,56.01 64.01,55.37 64.01,52.22 J4.17
  L3-SIG w0.127: v1(26.29,63.5) 24.51,65.28 23.11,65.28 22.71,64.87 18.06,64.87 15.67,67.26 15.67,69.8 14.25,71.22 14.25,79.83 11.49,82.58 11.49,83.14 10.98,83.65 v1(10.98,85.94)
  L4-SIG w0.127: v1(26.29,63.5) 27,64.21 30.05,64.21 31.17,65.34 v1(34.29,65.34)
  BOTTOM w0.127: R112.1 10.6,85.55 v1(10.98,85.94)
